# KiCad board Panel-DIY305.kicad_pcb (continued)
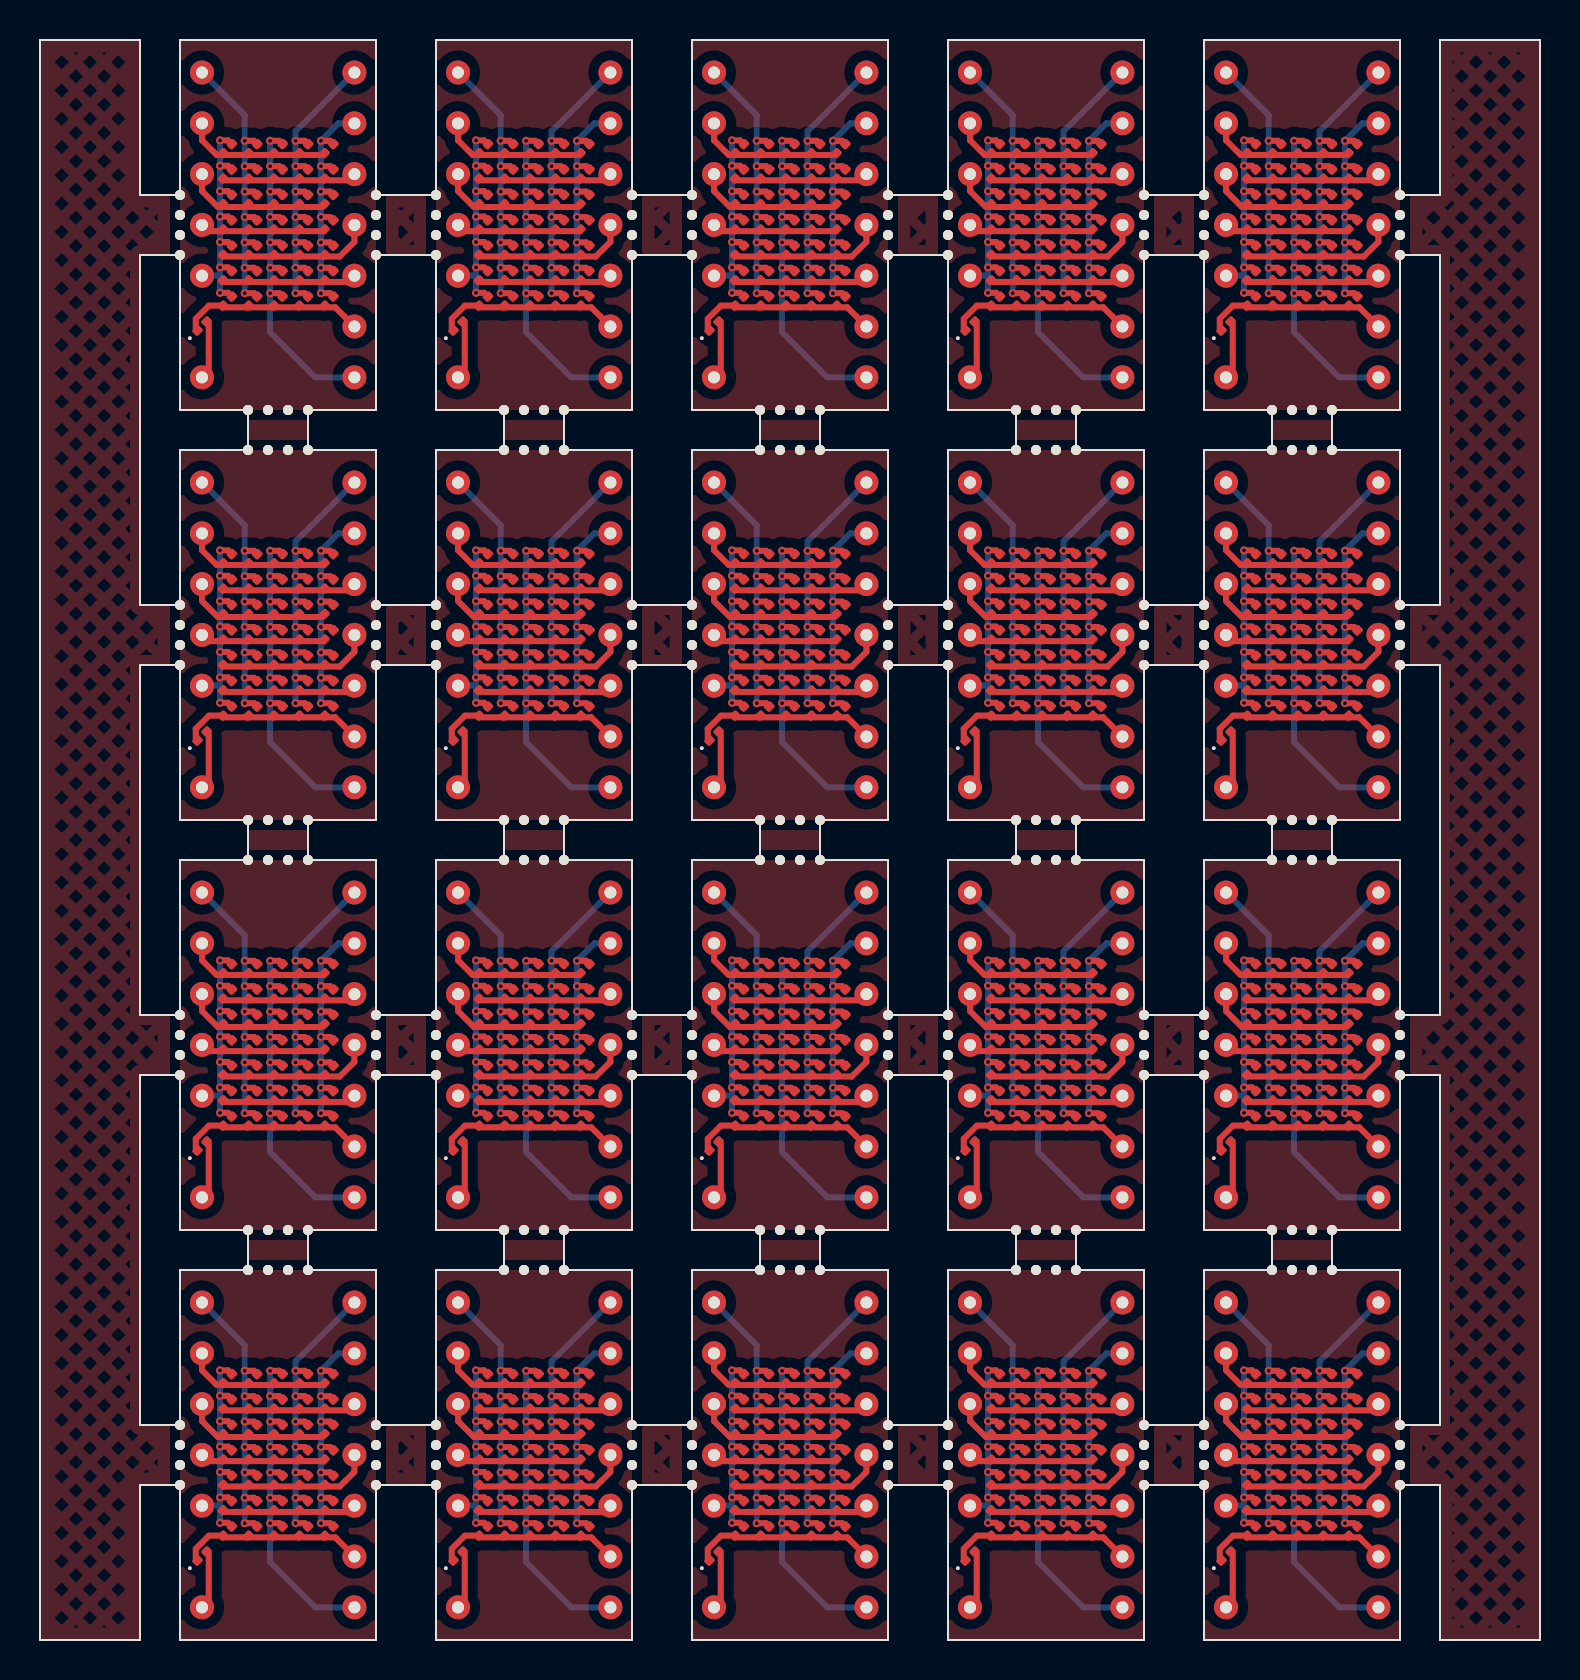
[diagram p0: board, top side]
## Routing (per net, layer and track width the routed paths; a pad name or vN(x,y) marks a point on that pad's centre or on a via; arc(x,y) is an arc through that point) (continued)
  Bottom w0.3: v1(65.25,26.34) v1(65.25,33.96) 66.12,34.83 J4#2.13
Board_14-DP: length 3
  Top w0.2: D36#8.2 59.64,24.82 ; 59.64,22.47 J4#2.7
  Top w0.3: 59.64,24.82 59.64,22.47
Board_14-R1: length 13.6
  Top w0.15: 59.3,33.99 60.09,33.2 65.28,33.2 ; 65.34,33.25 D29#4.1
  Top w0.3: J4#2.2 59.3,33.99 60.03,33.25 65.34,33.25
Board_14-R2: length 6.7
  Top w0.15: J4#2.12 66.61,31.98 ; 60.43,31.98 D2#9.1
  Top w0.3: 66.61,31.98 60.43,31.98
Board_14-R3: length 16.9
  Top w0.15: 60.43,30.71 61.53,30.71 D10#8.1 61.7,30.71 ; 60.43,30.71 62,30.71 ; 60.43,30.71 D3#11.1 60.29,30.8 60.2,30.71 ; 59.3,31.45 60.03,30.71 60.2,30.71 ; 60.2,30.71 65.34,30.71 ; 65.28,30.65 D31#6.1
  Top w0.3: 65.28,30.65 60.1,30.65 59.3,31.45 J4#2.3
Board_14-R4: length 6.3
  Top w0.15: 65.34,29.44 D32#17.1 ; J4#2.4 59.61,29.44
  Top w0.3: 59.61,29.44 65.34,29.44
Board_14-R5: length 7.8
  Top w0.15: 60.43,28.17 D5#19.1
  Top w0.3: J4#2.11 66.92,28.91 66.19,28.17 60.43,28.17
Board_14-R6: length 6.7
  Top w0.15: 60.43,26.9 D6.1 ; J4#2.10 66.61,26.9
  Top w0.3: 66.61,26.9 60.43,26.9
Board_14-R7: length 9.7
  Top w0.15: 66.47,24.67 J4#2.9 ; D36#8.1 58.99,24.56 ; D7#12.1 60.43,25.63
  Top w0.3: J4#2.9 65.96,25.63 60.43,25.63 ; D7#12.1 59.65,25.72 58.99,25.06 58.99,24.56
Board_15-C1: length 13.2
  Top w0.3: D2#20.2 9.41,12.21 v1(9,12.21) ; v1(9,10.94) 9.41,10.94 D3#3.2 ; D4#14.2 9.41,9.67 v1(9,9.67) ; v1(9,8.4) 9.41,8.4 D5#3.2 ; D1#10.2 9.41,13.48 v1(9,13.48) ; v1(9,5.86) 9.41,5.86 D7#17.2 ; D6#18.2 9.41,7.13 v1(9,7.13)
  Bottom w0.3: v1(9,13.48) 9,6.7 ; 9,6.7 8.98,6.72 J4#10.5 ; 9,6.7 v1(9,5.86)
Board_15-C2: length 16.9
  Top w0.3: D11#8.2 10.7,9.65 v1(10.24,9.65) ; v1(10.24,12.19) 10.7,12.19 D9#14.2 ; v1(10.24,8.38) 10.7,8.38 D12#16.2 ; v1(10.24,7.11) 10.7,7.11 D13#8.2 ; D14#5.2 10.7,5.84 v1(10.24,5.84) 10.21,5.84 ; D8#6.2 10.7,13.46 v1(10.24,13.46) ; v1(10.24,10.92) 10.7,10.92 D10#18.2
  Bottom w0.3: v1(10.24,5.84) v1(10.24,13.46) 10.24,14.74 J4#10.1
Board_15-C3: length 19.6
  Top w0.3: v1(11.51,13.46) 11.97,13.46 D15#9.2 ; v1(11.51,7.11) 11.97,7.11 D20#9.2 ; v1(11.51,8.38) 11.97,8.38 D19#16.2 ; v1(11.51,10.92) 11.97,10.92 D17#9.2 ; v1(11.51,12.19) 11.97,12.19 D16#14.2 ; v1(11.51,5.84) 11.97,5.84 D21#15.2 ; v1(11.51,9.65) 11.97,9.65 D18#2.2
  Bottom w0.3: v1(11.51,13.46) v1(11.51,5.84) 11.5,5.84 11.5,3.9 13.77,1.64 J4#10.8
Board_15-C4: length 17.2
  Top w0.3: v1(12.78,10.92) 13.24,10.92 D24#19.2 ; D23#10.2 13.24,12.19 v1(12.78,12.19) ; v1(12.78,5.84) 13.24,5.84 D28#2.2 ; D27#4.2 13.24,7.11 v1(12.78,7.11) ; D26#18.2 13.24,8.38 v1(12.78,8.38) ; v1(12.78,13.46) 13.24,13.46 D22#4.2 ; v1(12.78,9.65) 13.24,9.65 D25.2
  Bottom w0.3: v1(12.78,5.84) v1(12.78,13.46) 12.78,13.93 J4#10.14
Board_15-C5: length 14.6
  Top w0.3: v1(14.05,9.65) 14.51,9.65 D32#7.2 ; D30#17.2 14.51,12.19 v1(14.05,12.19) ; D35#17.2 14.51,5.84 v1(14.05,5.84) ; D34#3.2 14.51,7.11 v1(14.05,7.11) ; v1(14.05,8.38) 14.51,8.38 D33#19.2 ; v1(14.05,10.92) 14.51,10.92 D31#13.2 ; D29#12.2 14.51,13.46 v1(14.05,13.46)
  Bottom w0.3: J4#10.13 14.92,14.33 v1(14.05,13.46) v1(14.05,5.84)
Board_15-DP: length 3
  Top w0.2: D36#3.2 8.44,4.32 ; 8.44,1.97 J4#10.7
  Top w0.3: 8.44,4.32 8.44,1.97
Board_15-R1: length 13.6
  Top w0.15: 14.14,12.75 D29#12.1 ; 8.1,13.49 8.89,12.7 14.08,12.7
  Top w0.3: 14.14,12.75 8.83,12.75 8.1,13.49 J4#10.2
Board_15-R2: length 6.7
  Top w0.15: J4#10.12 15.41,11.48 ; 9.23,11.48 D2#20.1
  Top w0.3: 15.41,11.48 9.23,11.48
Board_15-R3: length 16.9
  Top w0.15: 10.8,10.21 9.23,10.21 ; 9.23,10.21 10.33,10.21 D10#18.1 10.5,10.21 ; 9.23,10.21 D3#3.1 9.09,10.3 9,10.21 ; 14.08,10.15 D31#13.1 ; 9,10.21 8.83,10.21 8.1,10.95 ; 9,10.21 14.14,10.21
  Top w0.3: J4#10.3 8.1,10.95 8.9,10.15 14.08,10.15
Board_15-R4: length 6.3
  Top w0.15: 14.14,8.94 D32#7.1 ; J4#10.4 8.41,8.94
  Top w0.3: 8.41,8.94 14.14,8.94
Board_15-R5: length 7.8
  Top w0.15: 9.23,7.67 D5#3.1
  Top w0.3: J4#10.11 15.72,8.41 14.99,7.67 9.23,7.67
Board_15-R6: length 6.7
  Top w0.15: 9.23,6.4 D6#18.1 ; J4#10.10 15.41,6.4
  Top w0.3: 15.41,6.4 9.23,6.4
Board_15-R7: length 9.7
  Top w0.15: 15.27,4.17 J4#10.9 ; D36#3.1 7.79,4.06 ; D7#17.1 9.23,5.13
  Top w0.3: 7.79,4.06 7.79,4.56 8.45,5.22 D7#17.1 ; J4#10.9 14.76,5.13 9.23,5.13
Board_16-C1: length 13.2
  Top w0.3: D5#16.2 22.21,8.4 v1(21.8,8.4) ; D4#2.2 22.21,9.67 v1(21.8,9.67) ; v1(21.8,12.21) 22.21,12.21 D2.2 ; D1#3.2 22.21,13.48 v1(21.8,13.48) ; v1(21.8,10.94) 22.21,10.94 D3#13.2 ; v1(21.8,5.86) 22.21,5.86 D7#7.2 ; D6#8.2 22.21,7.13 v1(21.8,7.13)
  Bottom w0.3: 21.8,6.7 21.78,6.72 J4#4.5 ; 21.8,6.7 v1(21.8,5.86) ; 21.8,6.7 v1(21.8,13.48)
Board_16-C2: length 16.9
  Top w0.3: D13#14.2 23.5,7.11 v1(23.04,7.11) ; D10#20.2 23.5,10.92 v1(23.04,10.92) ; D8#13.2 23.5,13.46 v1(23.04,13.46) ; D11#11.2 23.5,9.65 v1(23.04,9.65) ; v1(23.04,12.19) 23.5,12.19 D9#8.2 ; v1(23.04,8.38) 23.5,8.38 D12#19.2 ; 23.01,5.84 v1(23.04,5.84) 23.5,5.84 D14#6.2
  Bottom w0.3: v1(23.04,5.84) v1(23.04,13.46) 23.04,14.74 J4#4.1
Board_16-C3: length 19.6
  Top w0.3: D18#9.2 24.77,9.65 v1(24.31,9.65) ; v1(24.31,8.38) 24.77,8.38 D19#11.2 ; v1(24.31,7.11) 24.77,7.11 D20#4.2 ; v1(24.31,13.46) 24.77,13.46 D15#11.2 ; v1(24.31,10.92) 24.77,10.92 D17#5.2 ; v1(24.31,5.84) 24.77,5.84 D21#2.2 ; v1(24.31,12.19) 24.77,12.19 D16#8.2
  Bottom w0.3: J4#4.8 26.56,1.64 24.3,3.9 24.3,5.84 v1(24.31,5.84) v1(24.31,13.46)
Board_16-C4: length 17.2
  Top w0.3: v1(25.58,12.19) 26.04,12.19 D23#6.2 ; v1(25.58,9.65) 26.04,9.65 D25#12.2 ; v1(25.58,13.46) 26.04,13.46 D22#9.2 ; v1(25.58,8.38) 26.04,8.38 D26#20.2 ; v1(25.58,10.92) 26.04,10.92 D24#14.2 ; v1(25.58,5.84) 26.04,5.84 D28#7.2 ; v1(25.58,7.11) 26.04,7.11 D27#15.2
  Bottom w0.3: J4#4.14 25.58,13.93 v1(25.58,13.46) v1(25.58,5.84)
Board_16-C5: length 14.6
  Top w0.3: v1(26.85,12.19) 27.31,12.19 D30#2.2 ; D35#7.2 27.31,5.84 v1(26.85,5.84) ; v1(26.85,7.11) 27.31,7.11 D34#5.2 ; D31#19.2 27.31,10.92 v1(26.85,10.92) ; D32#16.2 27.31,9.65 v1(26.85,9.65) ; v1(26.85,8.38) 27.31,8.38 D33#20.2 ; D29#13.2 27.31,13.46 v1(26.85,13.46)
  Bottom w0.3: v1(26.85,5.84) v1(26.85,13.46) 27.72,14.33 J4#4.13
Board_16-DP: length 3
  Top w0.2: 21.24,1.97 J4#4.7 ; D36#14.2 21.24,4.32
  Top w0.3: 21.24,4.32 21.24,1.97
Board_16-R1: length 13.6
  Top w0.15: 26.88,12.7 21.69,12.7 20.9,13.49 ; 26.94,12.75 D29#13.1
  Top w0.3: 26.94,12.75 21.63,12.75 20.9,13.49 J4#4.2
Board_16-R2: length 6.7
  Top w0.15: J4#4.12 28.21,11.48 ; 22.03,11.48 D2.1
  Top w0.3: 28.21,11.48 22.03,11.48
Board_16-R3: length 16.9
  Top w0.15: 22.03,10.21 D3#13.1 21.89,10.3 21.8,10.21 ; 22.03,10.21 23.6,10.21 ; 22.03,10.21 23.13,10.21 D10#20.1 23.3,10.21 ; 21.8,10.21 21.63,10.21 20.9,10.95 ; 21.8,10.21 26.94,10.21 ; 26.88,10.15 D31#19.1
  Top w0.3: 26.88,10.15 21.7,10.15 20.9,10.95 J4#4.3
Board_16-R4: length 6.3
  Top w0.15: 26.94,8.94 D32#16.1 ; J4#4.4 21.21,8.94
  Top w0.3: 21.21,8.94 26.94,8.94
Board_16-R5: length 7.8
  Top w0.15: 22.03,7.67 D5#16.1
  Top w0.3: 22.03,7.67 27.79,7.67 28.52,8.41 J4#4.11
Board_16-R6: length 6.7
  Top w0.15: J4#4.10 28.21,6.4 ; 22.03,6.4 D6#8.1
  Top w0.3: 28.21,6.4 22.03,6.4
Board_16-R7: length 9.7
  Top w0.15: D7#7.1 22.03,5.13 ; 28.07,4.17 J4#4.9 ; D36#14.1 20.59,4.06
  Top w0.3: J4#4.9 27.56,5.13 22.03,5.13 ; 20.59,4.06 20.59,4.56 21.25,5.22 D7#7.1
Board_17-C1: length 13.2
  Top w0.3: D7#6.2 35.01,5.86 v1(34.6,5.86) ; D3#16.2 35.01,10.94 v1(34.6,10.94) ; D1#17.2 35.01,13.48 v1(34.6,13.48) ; D5.2 35.01,8.4 v1(34.6,8.4) ; D4#5.2 35.01,9.67 v1(34.6,9.67) ; v1(34.6,12.21) 35.01,12.21 D2#2.2 ; v1(34.6,7.13) 35.01,7.13 D6#4.2
  Bottom w0.3: 34.6,6.7 v1(34.6,5.86) ; 34.6,6.7 34.59,6.72 J4#13.5 ; 34.6,6.7 v1(34.6,13.48)
Board_17-C2: length 16.9
  Top w0.3: D10#17.2 36.3,10.92 v1(35.84,10.92) ; 35.81,5.84 v1(35.84,5.84) 36.3,5.84 D14#8.2 ; D11#18.2 36.3,9.65 v1(35.84,9.65) ; v1(35.84,13.46) 36.3,13.46 D8.2 ; v1(35.84,7.11) 36.3,7.11 D13#5.2 ; D12#12.2 36.3,8.38 v1(35.84,8.38) ; D9#6.2 36.3,12.19 v1(35.84,12.19)
  Bottom w0.3: J4#13.1 35.84,14.74 v1(35.84,13.46) v1(35.84,5.84)
Board_17-C3: length 19.6
  Top w0.3: v1(37.11,10.92) 37.57,10.92 D17.2 ; v1(37.11,13.46) 37.57,13.46 D15#18.2 ; v1(37.11,5.84) 37.57,5.84 D21#13.2 ; v1(37.11,7.11) 37.57,7.11 D20#15.2 ; D19.2 37.57,8.38 v1(37.11,8.38) ; v1(37.11,9.65) 37.57,9.65 D18.2 ; D16#11.2 37.57,12.19 v1(37.11,12.19)
  Bottom w0.3: J4#13.8 39.37,1.64 37.1,3.9 37.1,5.84 v1(37.11,5.84) v1(37.11,13.46)
Board_17-C4: length 17.2
  Top w0.3: D26#10.2 38.84,8.38 v1(38.38,8.38) ; v1(38.38,9.65) 38.84,9.65 D25#19.2 ; v1(38.38,7.11) 38.84,7.11 D27.2 ; D23#19.2 38.84,12.19 v1(38.38,12.19) ; D22#6.2 38.84,13.46 v1(38.38,13.46) ; D28#14.2 38.84,5.84 v1(38.38,5.84) ; v1(38.38,10.92) 38.84,10.92 D24#15.2
  Bottom w0.3: v1(38.38,5.84) v1(38.38,13.46) 38.38,13.93 J4#13.14
Board_17-C5: length 14.6
  Top w0.3: v1(39.65,7.11) 40.11,7.11 D34.2 ; D31#17.2 40.11,10.92 v1(39.65,10.92) ; v1(39.65,13.46) 40.11,13.46 D29#19.2 ; D30#16.2 40.11,12.19 v1(39.65,12.19) ; v1(39.65,5.84) 40.11,5.84 D35#19.2 ; v1(39.65,9.65) 40.11,9.65 D32#13.2 ; D33#6.2 40.11,8.38 v1(39.65,8.38)
  Bottom w0.3: v1(39.65,5.84) v1(39.65,13.46) 40.52,14.33 J4#13.13
Board_17-DP: length 3
  Top w0.2: D36#20.2 34.04,4.32 ; 34.04,1.97 J4#13.7
  Top w0.3: 34.04,4.32 34.04,1.97
Board_17-R1: length 13.6
  Top w0.15: 33.7,13.49 34.49,12.7 39.69,12.7 ; 39.74,12.75 D29#19.1
  Top w0.3: J4#13.2 33.7,13.49 34.43,12.75 39.74,12.75
Board_17-R2: length 6.7
  Top w0.15: J4#13.12 41.01,11.48 ; 34.83,11.48 D2#2.1
  Top w0.3: 41.01,11.48 34.83,11.48
Board_17-R3: length 16.9
  Top w0.15: 39.68,10.15 D31#17.1 ; 36.4,10.21 34.83,10.21 ; 34.83,10.21 35.93,10.21 D10#17.1 36.1,10.21 ; 34.83,10.21 D3#16.1 34.69,10.3 34.6,10.21 ; 34.6,10.21 39.74,10.21 ; 34.6,10.21 34.43,10.21 33.7,10.95
  Top w0.3: J4#13.3 33.7,10.95 34.5,10.15 39.68,10.15
Board_17-R4: length 6.3
  Top w0.15: J4#13.4 34.01,8.94 ; 39.74,8.94 D32#13.1
  Top w0.3: 34.01,8.94 39.74,8.94
Board_17-R5: length 7.8
  Top w0.15: 34.83,7.67 D5.1
  Top w0.3: J4#13.11 41.32,8.41 40.59,7.67 34.83,7.67
Board_17-R6: length 6.7
  Top w0.15: J4#13.10 41.01,6.4 ; 34.83,6.4 D6#4.1
  Top w0.3: 41.01,6.4 34.83,6.4
Board_17-R7: length 9.7
  Top w0.15: D36#20.1 33.39,4.06 ; 40.87,4.17 J4#13.9 ; D7#6.1 34.83,5.13
  Top w0.3: J4#13.9 40.36,5.13 34.83,5.13 ; D7#6.1 34.05,5.22 33.39,4.56 33.39,4.06
Board_18-C1: length 13.2
  Top w0.3: v1(47.4,13.48) 47.81,13.48 D1#5.2 ; D4#15.2 47.81,9.67 v1(47.4,9.67) ; v1(47.4,12.21) 47.81,12.21 D2#8.2 ; v1(47.4,7.13) 47.81,7.13 D6#15.2 ; v1(47.4,5.86) 47.81,5.86 D7#18.2 ; D3#18.2 47.81,10.94 v1(47.4,10.94) ; D5#4.2 47.81,8.4 v1(47.4,8.4)
  Bottom w0.3: 47.4,6.7 v1(47.4,5.86) ; 47.4,6.7 47.38,6.72 J4#6.5 ; 47.4,6.7 v1(47.4,13.48)
Board_18-C2: length 16.9
  Top w0.3: D14#19.2 49.1,5.84 v1(48.64,5.84) 48.61,5.84 ; D8#4.2 49.1,13.46 v1(48.64,13.46) ; v1(48.64,7.11) 49.1,7.11 D13.2 ; D9#11.2 49.1,12.19 v1(48.64,12.19) ; v1(48.64,8.38) 49.1,8.38 D12#4.2 ; v1(48.64,10.92) 49.1,10.92 D10#14.2 ; v1(48.64,9.65) 49.1,9.65 D11#5.2
  Bottom w0.3: J4#6.1 48.64,14.74 v1(48.64,13.46) v1(48.64,5.84)
Board_18-C3: length 19.6
  Top w0.3: D18#4.2 50.37,9.65 v1(49.91,9.65) ; D21#14.2 50.37,5.84 v1(49.91,5.84) ; v1(49.91,7.11) 50.37,7.11 D20.2 ; D17#8.2 50.37,10.92 v1(49.91,10.92) ; D16#17.2 50.37,12.19 v1(49.91,12.19) ; D15.2 50.37,13.46 v1(49.91,13.46) ; v1(49.91,8.38) 50.37,8.38 D19#13.2
  Bottom w0.3: v1(49.91,13.46) v1(49.91,5.84) 49.9,5.84 49.9,3.9 52.16,1.64 J4#6.8
Board_18-C4: length 17.2
  Top w0.3: D23#12.2 51.64,12.19 v1(51.18,12.19) ; D24#6.2 51.64,10.92 v1(51.18,10.92) ; D27#12.2 51.64,7.11 v1(51.18,7.11) ; v1(51.18,5.84) 51.64,5.84 D28#18.2 ; D22#14.2 51.64,13.46 v1(51.18,13.46) ; D25#9.2 51.64,9.65 v1(51.18,9.65) ; D26#3.2 51.64,8.38 v1(51.18,8.38)
  Bottom w0.3: J4#6.14 51.18,13.93 v1(51.18,13.46) v1(51.18,5.84)
Board_18-C5: length 14.6
  Top w0.3: D31.2 52.91,10.92 v1(52.45,10.92) ; D35#9.2 52.91,5.84 v1(52.45,5.84) ; D29#14.2 52.91,13.46 v1(52.45,13.46) ; D32#14.2 52.91,9.65 v1(52.45,9.65) ; v1(52.45,12.19) 52.91,12.19 D30#11.2 ; D33#18.2 52.91,8.38 v1(52.45,8.38) ; v1(52.45,7.11) 52.91,7.11 D34#8.2
  Bottom w0.3: J4#6.13 53.32,14.33 v1(52.45,13.46) v1(52.45,5.84)
Board_18-DP: length 3
  Top w0.2: 46.84,1.97 J4#6.7 ; D36#9.2 46.84,4.32
  Top w0.3: 46.84,4.32 46.84,1.97
Board_18-R1: length 13.6
  Top w0.15: 46.5,13.49 47.29,12.7 52.49,12.7 ; 52.54,12.75 D29#14.1
  Top w0.3: J4#6.2 46.5,13.49 47.23,12.75 52.54,12.75
Board_18-R2: length 6.7
  Top w0.15: 47.63,11.48 D2#8.1 ; J4#6.12 53.81,11.48
  Top w0.3: 53.81,11.48 47.63,11.48
Board_18-R3: length 16.9
  Top w0.15: 48.9,10.21 D10#14.1 48.73,10.21 47.63,10.21 ; 47.4,10.21 52.54,10.21 ; 47.4,10.21 47.49,10.3 D3#18.1 47.63,10.21 ; 47.4,10.21 47.23,10.21 46.5,10.95 ; 52.47,10.15 D31.1 ; 47.63,10.21 49.2,10.21
  Top w0.3: J4#6.3 46.5,10.95 47.3,10.15 52.47,10.15
Board_18-R4: length 6.3
  Top w0.15: J4#6.4 46.81,8.94 ; 52.54,8.94 D32#14.1
  Top w0.3: 46.81,8.94 52.54,8.94
Board_18-R5: length 7.8
  Top w0.15: 47.63,7.67 D5#4.1
  Top w0.3: J4#6.11 54.12,8.41 53.39,7.67 47.63,7.67
Board_18-R6: length 6.7
  Top w0.15: 47.63,6.4 D6#15.1 ; J4#6.10 53.81,6.4
  Top w0.3: 53.81,6.4 47.63,6.4
Board_18-R7: length 9.7
  Top w0.15: D36#9.1 46.19,4.06 ; 53.67,4.17 J4#6.9 ; D7#18.1 47.63,5.13
  Top w0.3: D7#18.1 46.85,5.22 46.19,4.56 46.19,4.06 ; J4#6.9 53.16,5.13 47.63,5.13
Board_19-C1: length 13.2
  Top w0.3: v1(60.2,10.94) 60.61,10.94 D3#2.2 ; v1(60.2,7.13) 60.61,7.13 D6#17.2 ; D1#11.2 60.61,13.48 v1(60.2,13.48) ; D4#4.2 60.61,9.67 v1(60.2,9.67) ; v1(60.2,5.86) 60.61,5.86 D7#14.2 ; D5#14.2 60.61,8.4 v1(60.2,8.4) ; v1(60.2,12.21) 60.61,12.21 D2#4.2
  Bottom w0.3: J4#14.5 60.19,6.72 60.2,6.7 ; v1(60.2,13.48) 60.2,6.7 ; 60.2,6.7 v1(60.2,5.86)
Board_19-C2: length 16.9
  Top w0.3: D12#2.2 61.9,8.38 v1(61.44,8.38) ; v1(61.44,7.11) 61.9,7.11 D13#6.2 ; v1(61.44,10.92) 61.9,10.92 D10#12.2 ; v1(61.44,13.46) 61.9,13.46 D8#11.2 ; v1(61.44,12.19) 61.9,12.19 D9#18.2 ; D11#4.2 61.9,9.65 v1(61.44,9.65) ; D14#7.2 61.9,5.84 v1(61.44,5.84) 61.41,5.84
  Bottom w0.3: v1(61.44,5.84) v1(61.44,13.46) 61.44,14.74 J4#14.1
Board_19-C3: length 19.6
  Top w0.3: D21#19.2 63.17,5.84 v1(62.71,5.84) ; D15#8.2 63.17,13.46 v1(62.71,13.46) ; D19#19.2 63.17,8.38 v1(62.71,8.38) ; v1(62.71,10.92) 63.17,10.92 D17#12.2 ; v1(62.71,9.65) 63.17,9.65 D18#13.2 ; D20#11.2 63.17,7.11 v1(62.71,7.11) ; D16.2 63.17,12.19 v1(62.71,12.19)
  Bottom w0.3: J4#14.8 64.97,1.64 62.7,3.9 62.7,5.84 v1(62.71,5.84) v1(62.71,13.46)
Board_19-C4: length 17.2
  Top w0.3: v1(63.98,9.65) 64.44,9.65 D25#11.2 ; D26#6.2 64.44,8.38 v1(63.98,8.38) ; v1(63.98,10.92) 64.44,10.92 D24#9.2 ; D23#20.2 64.44,12.19 v1(63.98,12.19) ; D28#9.2 64.44,5.84 v1(63.98,5.84) ; v1(63.98,13.46) 64.44,13.46 D22#20.2 ; v1(63.98,7.11) 64.44,7.11 D27#16.2
  Bottom w0.3: v1(63.98,5.84) v1(63.98,13.46) 63.98,13.93 J4#14.14
Board_19-C5: length 14.6
  Top w0.3: v1(65.25,5.84) 65.71,5.84 D35#3.2 ; D33#14.2 65.71,8.38 v1(65.25,8.38) ; D31#18.2 65.71,10.92 v1(65.25,10.92) ; v1(65.25,9.65) 65.71,9.65 D32.2 ; v1(65.25,7.11) 65.71,7.11 D34#11.2 ; v1(65.25,12.19) 65.71,12.19 D30#19.2 ; v1(65.25,13.46) 65.71,13.46 D29#8.2
  Bottom w0.3: v1(65.25,5.84) v1(65.25,13.46) 66.12,14.33 J4#14.13
Board_19-DP: length 3
  Top w0.2: D36.2 59.64,4.32 ; 59.64,1.97 J4#14.7
  Top w0.3: 59.64,4.32 59.64,1.97
Board_19-R1: length 13.6
  Top w0.15: 59.3,13.49 60.09,12.7 65.28,12.7 ; 65.34,12.75 D29#8.1
  Top w0.3: J4#14.2 59.3,13.49 60.03,12.75 65.34,12.75
Board_19-R2: length 6.7
  Top w0.15: J4#14.12 66.61,11.48 ; 60.43,11.48 D2#4.1
  Top w0.3: 66.61,11.48 60.43,11.48
Board_19-R3: length 16.9
  Top w0.15: 60.43,10.21 D3#2.1 60.29,10.3 60.2,10.21 ; 60.43,10.21 62,10.21 ; 60.43,10.21 61.53,10.21 D10#12.1 61.7,10.21 ; 59.3,10.95 60.03,10.21 60.2,10.21 ; 60.2,10.21 65.34,10.21 ; 65.28,10.15 D31#18.1
  Top w0.3: J4#14.3 59.3,10.95 60.1,10.15 65.28,10.15
Board_19-R4: length 6.3
  Top w0.15: J4#14.4 59.61,8.94 ; 65.34,8.94 D32.1
  Top w0.3: 59.61,8.94 65.34,8.94
Board_19-R5: length 7.8
  Top w0.15: 60.43,7.67 D5#14.1
  Top w0.3: 60.43,7.67 66.19,7.67 66.92,8.41 J4#14.11
Board_19-R6: length 6.7
  Top w0.15: 60.43,6.4 D6#17.1 ; J4#14.10 66.61,6.4
  Top w0.3: 66.61,6.4 60.43,6.4
Board_19-R7: length 9.7
  Top w0.15: 66.47,4.17 J4#14.9 ; D36.1 58.99,4.06 ; D7#14.1 60.43,5.13
  Top w0.3: 60.43,5.13 65.96,5.13 J4#14.9 ; D7#14.1 59.65,5.22 58.99,4.56 58.99,4.06

## Copper pours and planes (outline as drawn; the poured copper is in the pictures)
(no net) on Top: 44.9,18.5 44.9,18.55 44.91,18.6 44.92,18.65 44.94,18.69 44.96,18.74 44.98,18.78 45.01,18.82 45.05,18.85 45.08,18.89 45.12,18.92 45.16,18.94 45.21,18.96 45.25,18.98 45.3,18.99 45.35,19 45.4,19 55.2,19 55.25,19 55.3,18.99 55.35,18.98 55.39,18.96 55.44,18.94 55.48,18.92 55.52,18.89 55.55,18.85 55.59,18.82 55.62,18.78 55.64,18.74 55.66,18.69 55.68,18.65 55.69,18.6 55.7,18.55 55.7,18.5 55.7,7.75 57.7,7.75 57.7,18.5 57.7,18.55 57.71,18.6 57.72,18.65 57.74,18.69 57.76,18.74 57.78,18.78 57.81,18.82 57.85,18.85 57.88,18.89 57.92,18.92 57.96,18.94 58.01,18.96 58.05,18.98 58.1,18.99 58.15,19 58.2,19 68,19 68.05,19 68.1,18.99 68.15,18.98 68.19,18.96 68.24,18.94 68.28,18.92 68.32,18.89 68.35,18.85 68.39,18.82 68.42,18.78 68.44,18.74 68.46,18.69 68.48,18.65 68.49,18.6 68.5,18.55 68.5,18.5 68.5,7.75 70,7.75 70,0 75,0 75,80 70,80 70,72.25 68.5,72.25 68.5,61.5 68.5,61.45 68.49,61.4 68.48,61.35 68.46,61.31 68.44,61.26 68.42,61.22 68.39,61.18 68.35,61.15 68.32,61.11 68.28,61.08 68.24,61.06 68.19,61.04 68.15,61.02 68.1,61.01 68.05,61 68,61 58.2,61 58.15,61 58.1,61.01 58.05,61.02 58.01,61.04 57.96,61.06 57.92,61.08 57.88,61.11 57.85,61.15 57.81,61.18 57.78,61.22 57.76,61.26 57.74,61.31 57.72,61.35 57.71,61.4 57.7,61.45 57.7,61.5 57.7,72.25 55.7,72.25 55.7,61.5 55.7,61.45 55.69,61.4 55.68,61.35 55.66,61.31 55.64,61.26 55.62,61.22 55.59,61.18 55.55,61.15 55.52,61.11 55.48,61.08 55.44,61.06 55.39,61.04 55.35,61.02 55.3,61.01 55.25,61 55.2,61 45.4,61 45.35,61 45.3,61.01 45.25,61.02 45.21,61.04 45.16,61.06 45.12,61.08 45.08,61.11 45.05,61.15 45.01,61.18 44.98,61.22 44.96,61.26 44.94,61.31 44.92,61.35 44.91,61.4 44.9,61.45 44.9,61.5 44.9,72.25 42.9,72.25 42.9,61.5 42.9,61.45 42.89,61.4 42.88,61.35 42.86,61.31 42.84,61.26 42.82,61.22 42.79,61.18 42.75,61.15 42.72,61.11 42.68,61.08 42.64,61.06 42.59,61.04 42.55,61.02 42.5,61.01 42.45,61 42.4,61 32.6,61 32.55,61 32.5,61.01 32.45,61.02 32.41,61.04 32.36,61.06 32.32,61.08 32.28,61.11 32.25,61.15 32.21,61.18 32.18,61.22 32.16,61.26 32.14,61.31 32.12,61.35 32.11,61.4 32.1,61.45 32.1,61.5 32.1,72.25 30.1,72.25 30.1,61.5 30.1,61.45 30.09,61.4 30.08,61.35 30.06,61.31 30.04,61.26 30.02,61.22 29.99,61.18 29.95,61.15 29.92,61.11 29.88,61.08 29.84,61.06 29.79,61.04 29.75,61.02 29.7,61.01 29.65,61 29.6,61 19.8,61 19.75,61 19.7,61.01 19.65,61.02 19.61,61.04 19.56,61.06 19.52,61.08 19.48,61.11 19.45,61.15 19.41,61.18 19.38,61.22 19.36,61.26 19.34,61.31 19.32,61.35 19.31,61.4 19.3,61.45 19.3,61.5 19.3,72.25 17.3,72.25 17.3,61.5 17.3,61.45 17.29,61.4 17.28,61.35 17.26,61.31 17.24,61.26 17.22,61.22 17.19,61.18 17.15,61.15 17.12,61.11 17.08,61.08 17.04,61.06 16.99,61.04 16.95,61.02 16.9,61.01 16.85,61 16.8,61 7,61 6.95,61 6.9,61.01 6.85,61.02 6.81,61.04 6.76,61.06 6.72,61.08 6.68,61.11 6.65,61.15 6.61,61.18 6.58,61.22 6.56,61.26 6.54,61.31 6.52,61.35 6.51,61.4 6.5,61.45 6.5,61.5 6.5,72.25 5,72.25 5,80 0,80 0,0 5,0 5,7.75 6.5,7.75 6.5,18.5 6.5,18.55 6.51,18.6 6.52,18.65 6.54,18.69 6.56,18.74 6.58,18.78 6.61,18.82 6.65,18.85 6.68,18.89 6.72,18.92 6.76,18.94 6.81,18.96 6.85,18.98 6.9,18.99 6.95,19 7,19 16.8,19 16.85,19 16.9,18.99 16.95,18.98 16.99,18.96 17.04,18.94 17.08,18.92 17.12,18.89 17.15,18.85 17.19,18.82 17.22,18.78 17.24,18.74 17.26,18.69 17.28,18.65 17.29,18.6 17.3,18.55 17.3,18.5 17.3,7.75 19.3,7.75 19.3,18.5 19.3,18.55 19.31,18.6 19.32,18.65 19.34,18.69 19.36,18.74 19.38,18.78 19.41,18.82 19.45,18.85 19.48,18.89 19.52,18.92 19.56,18.94 19.61,18.96 19.65,18.98 19.7,18.99 19.75,19 19.8,19 29.6,19 29.65,19 29.7,18.99 29.75,18.98 29.79,18.96 29.84,18.94 29.88,18.92 29.92,18.89 29.95,18.85 29.99,18.82 30.02,18.78 30.04,18.74 30.06,18.69 30.08,18.65 30.09,18.6 30.1,18.55 30.1,18.5 30.1,7.75 32.1,7.75 32.1,18.5 32.1,18.55 32.11,18.6 32.12,18.65 32.14,18.69 32.16,18.74 32.18,18.78 32.21,18.82 32.25,18.85 32.28,18.89 32.32,18.92 32.36,18.94 32.41,18.96 32.45,18.98 32.5,18.99 32.55,19 32.6,19 42.4,19 42.45,19 42.5,18.99 42.55,18.98 42.59,18.96 42.64,18.94 42.68,18.92 42.72,18.89 42.75,18.85 42.79,18.82 42.82,18.78 42.84,18.74 42.86,18.69 42.88,18.65 42.89,18.6 42.9,18.55 42.9,18.5 42.9,7.75 44.9,7.75 ; 10 cut-outs
(no net) on Top, Bottom: 7,80 16.8,80 16.8,61.5 7,61.5
(no net) on Top, Bottom: 19.8,18.5 29.6,18.5 29.6,0 19.8,0
(no net) on Top, Bottom: 32.6,59.5 42.4,59.5 42.4,41 32.6,41
(no net) on Top, Bottom: 7,18.5 16.8,18.5 16.8,0 7,0
(no net) on Top, Bottom: 58.2,59.5 68,59.5 68,41 58.2,41
(no net) on Top, Bottom: 7,39 16.8,39 16.8,20.5 7,20.5
(no net) on Top, Bottom: 58.2,18.5 68,18.5 68,0 58.2,0
(no net) on Top, Bottom: 45.4,80 55.2,80 55.2,61.5 45.4,61.5
(no net) on Top, Bottom: 19.8,39 29.6,39 29.6,20.5 19.8,20.5
(no net) on Top, Bottom: 19.8,80 29.6,80 29.6,61.5 19.8,61.5
(no net) on Top, Bottom: 32.6,80 42.4,80 42.4,61.5 32.6,61.5
(no net) on Top, Bottom: 58.2,80 68,80 68,61.5 58.2,61.5
(no net) on Top, Bottom: 45.4,39 55.2,39 55.2,20.5 45.4,20.5
(no net) on Top, Bottom: 45.4,18.5 55.2,18.5 55.2,0 45.4,0
(no net) on Top, Bottom: 7,59.5 16.8,59.5 16.8,41 7,41
(no net) on Top, Bottom: 45.4,59.5 55.2,59.5 55.2,41 45.4,41
(no net) on Top, Bottom: 19.8,59.5 29.6,59.5 29.6,41 19.8,41
(no net) on Top, Bottom: 58.2,39 68,39 68,20.5 58.2,20.5
(no net) on Top, Bottom: 32.6,18.5 42.4,18.5 42.4,0 32.6,0
(no net) on Top, Bottom: 32.6,39 42.4,39 42.4,20.5 32.6,20.5
(no net) on Bottom: 44.9,18.5 44.9,18.55 44.91,18.6 44.92,18.65 44.94,18.69 44.96,18.74 44.98,18.78 45.01,18.82 45.05,18.85 45.08,18.89 45.12,18.92 45.16,18.94 45.21,18.96 45.25,18.98 45.3,18.99 45.35,19 45.4,19 55.2,19 55.25,19 55.3,18.99 55.35,18.98 55.39,18.96 55.44,18.94 55.48,18.92 55.52,18.89 55.55,18.85 55.59,18.82 55.62,18.78 55.64,18.74 55.66,18.69 55.68,18.65 55.69,18.6 55.7,18.55 55.7,18.5 55.7,7.75 57.7,7.75 57.7,18.5 57.7,18.55 57.71,18.6 57.72,18.65 57.74,18.69 57.76,18.74 57.78,18.78 57.81,18.82 57.85,18.85 57.88,18.89 57.92,18.92 57.96,18.94 58.01,18.96 58.05,18.98 58.1,18.99 58.15,19 58.2,19 68,19 68.05,19 68.1,18.99 68.15,18.98 68.19,18.96 68.24,18.94 68.28,18.92 68.32,18.89 68.35,18.85 68.39,18.82 68.42,18.78 68.44,18.74 68.46,18.69 68.48,18.65 68.49,18.6 68.5,18.55 68.5,18.5 68.5,7.75 70,7.75 70,0 75,0 75,80 70,80 70,72.25 68.5,72.25 68.5,61.5 68.5,61.45 68.49,61.4 68.48,61.35 68.46,61.31 68.44,61.26 68.42,61.22 68.39,61.18 68.35,61.15 68.32,61.11 68.28,61.08 68.24,61.06 68.19,61.04 68.15,61.02 68.1,61.01 68.05,61 68,61 58.2,61 58.15,61 58.1,61.01 58.05,61.02 58.01,61.04 57.96,61.06 57.92,61.08 57.88,61.11 57.85,61.15 57.81,61.18 57.78,61.22 57.76,61.26 57.74,61.31 57.72,61.35 57.71,61.4 57.7,61.45 57.7,61.5 57.7,72.25 55.7,72.25 55.7,61.5 55.7,61.45 55.69,61.4 55.68,61.35 55.66,61.31 55.64,61.26 55.62,61.22 55.59,61.18 55.55,61.15 55.52,61.11 55.48,61.08 55.44,61.06 55.39,61.04 55.35,61.02 55.3,61.01 55.25,61 55.2,61 45.4,61 45.35,61 45.3,61.01 45.25,61.02 45.21,61.04 45.16,61.06 45.12,61.08 45.08,61.11 45.05,61.15 45.01,61.18 44.98,61.22 44.96,61.26 44.94,61.31 44.92,61.35 44.91,61.4 44.9,61.45 44.9,61.5 44.9,72.25 42.9,72.25 42.9,61.5 42.9,61.45 42.89,61.4 42.88,61.35 42.86,61.31 42.84,61.26 42.82,61.22 42.79,61.18 42.75,61.15 42.72,61.11 42.68,61.08 42.64,61.06 42.59,61.04 42.55,61.02 42.5,61.01 42.45,61 42.4,61 32.6,61 32.55,61 32.5,61.01 32.45,61.02 32.41,61.04 32.36,61.06 32.32,61.08 32.28,61.11 32.25,61.15 32.21,61.18 32.18,61.22 32.16,61.26 32.14,61.31 32.12,61.35 32.11,61.4 32.1,61.45 32.1,61.5 32.1,72.25 30.1,72.25 30.1,61.5 30.1,61.45 30.09,61.4 30.08,61.35 30.06,61.31 30.04,61.26 30.02,61.22 29.99,61.18 29.95,61.15 29.92,61.11 29.88,61.08 29.84,61.06 29.79,61.04 29.75,61.02 29.7,61.01 29.65,61 29.6,61 19.8,61 19.75,61 19.7,61.01 19.65,61.02 19.61,61.04 19.56,61.06 19.52,61.08 19.48,61.11 19.45,61.15 19.41,61.18 19.38,61.22 19.36,61.26 19.34,61.31 19.32,61.35 19.31,61.4 19.3,61.45 19.3,61.5 19.3,72.25 17.3,72.25 17.3,61.5 17.3,61.45 17.29,61.4 17.28,61.35 17.26,61.31 17.24,61.26 17.22,61.22 17.19,61.18 17.15,61.15 17.12,61.11 17.08,61.08 17.04,61.06 16.99,61.04 16.95,61.02 16.9,61.01 16.85,61 16.8,61 7,61 6.95,61 6.9,61.01 6.85,61.02 6.81,61.04 6.76,61.06 6.72,61.08 6.68,61.11 6.65,61.15 6.61,61.18 6.58,61.22 6.56,61.26 6.54,61.31 6.52,61.35 6.51,61.4 6.5,61.45 6.5,61.5 6.5,72.25 5,72.25 5,80 0,80 0,0 5,0 5,7.75 6.5,7.75 6.5,18.5 6.5,18.55 6.51,18.6 6.52,18.65 6.54,18.69 6.56,18.74 6.58,18.78 6.61,18.82 6.65,18.85 6.68,18.89 6.72,18.92 6.76,18.94 6.81,18.96 6.85,18.98 6.9,18.99 6.95,19 7,19 16.8,19 16.85,19 16.9,18.99 16.95,18.98 16.99,18.96 17.04,18.94 17.08,18.92 17.12,18.89 17.15,18.85 17.19,18.82 17.22,18.78 17.24,18.74 17.26,18.69 17.28,18.65 17.29,18.6 17.3,18.55 17.3,18.5 17.3,7.75 19.3,7.75 19.3,18.5 19.3,18.55 19.31,18.6 19.32,18.65 19.34,18.69 19.36,18.74 19.38,18.78 19.41,18.82 19.45,18.85 19.48,18.89 19.52,18.92 19.56,18.94 19.61,18.96 19.65,18.98 19.7,18.99 19.75,19 19.8,19 29.6,19 29.65,19 29.7,18.99 29.75,18.98 29.79,18.96 29.84,18.94 29.88,18.92 29.92,18.89 29.95,18.85 29.99,18.82 30.02,18.78 30.04,18.74 30.06,18.69 30.08,18.65 30.09,18.6 30.1,18.55 30.1,18.5 30.1,7.75 32.1,7.75 32.1,18.5 32.1,18.55 32.11,18.6 32.12,18.65 32.14,18.69 32.16,18.74 32.18,18.78 32.21,18.82 32.25,18.85 32.28,18.89 32.32,18.92 32.36,18.94 32.41,18.96 32.45,18.98 32.5,18.99 32.55,19 32.6,19 42.4,19 42.45,19 42.5,18.99 42.55,18.98 42.59,18.96 42.64,18.94 42.68,18.92 42.72,18.89 42.75,18.85 42.79,18.82 42.82,18.78 42.84,18.74 42.86,18.69 42.88,18.65 42.89,18.6 42.9,18.55 42.9,18.5 42.9,7.75 44.9,7.75 ; 10 cut-outs

## Text on the board
B.Silkscreen: JLCJLCJLCJLC
F.Fab: D8
